# Altium PCB WT2.PcbDoc
Units mil, origin at the board's own origin, x right, y up, seen from the top; angles counter-clockwise.
Board outline 3543.31 x 3100 mil, 2 copper layers (Top Layer, Bottom Layer); 120 components, 114 nets, 511 pads, 97 vias.
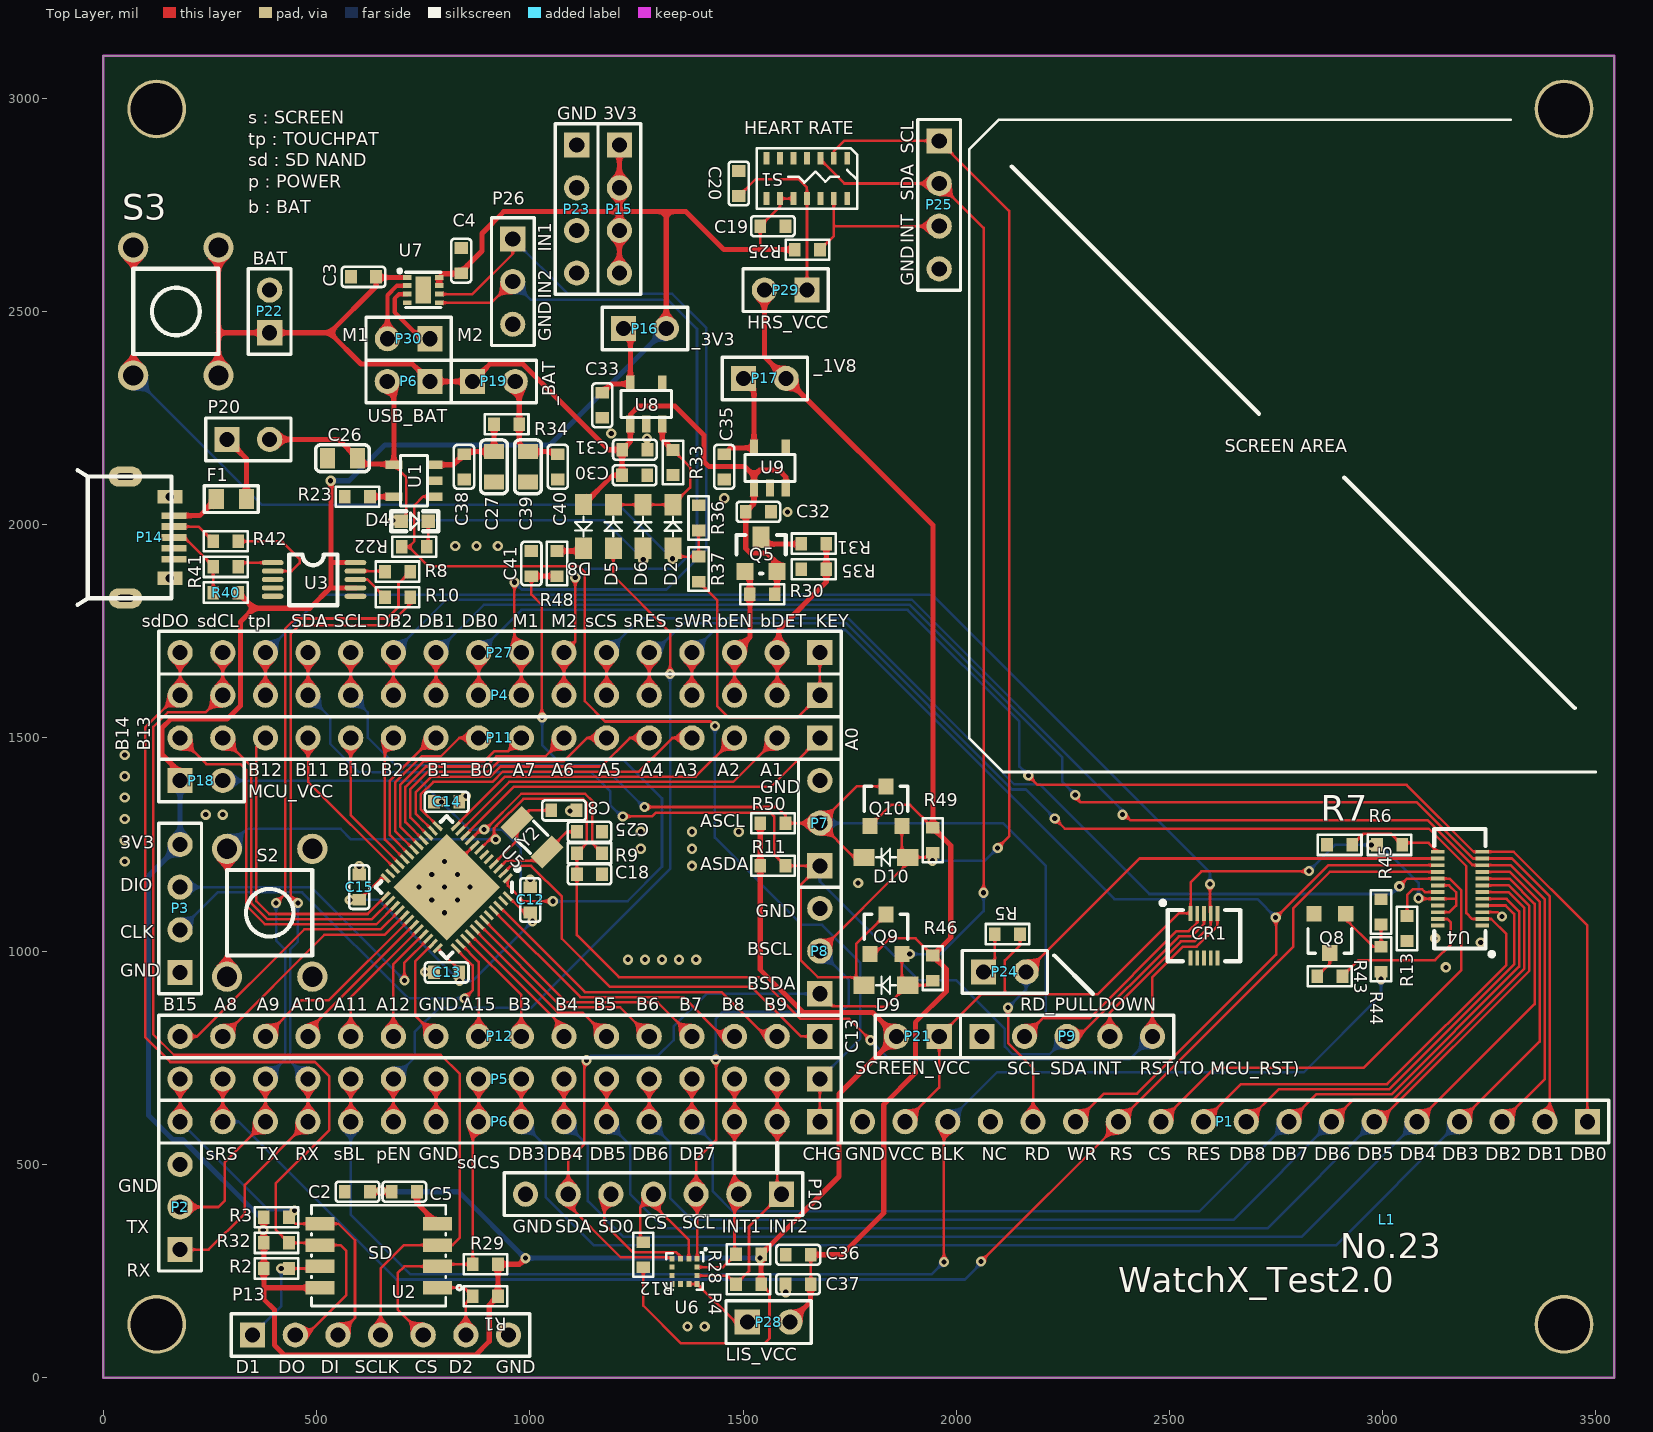
[diagram p0: Top Layer view]
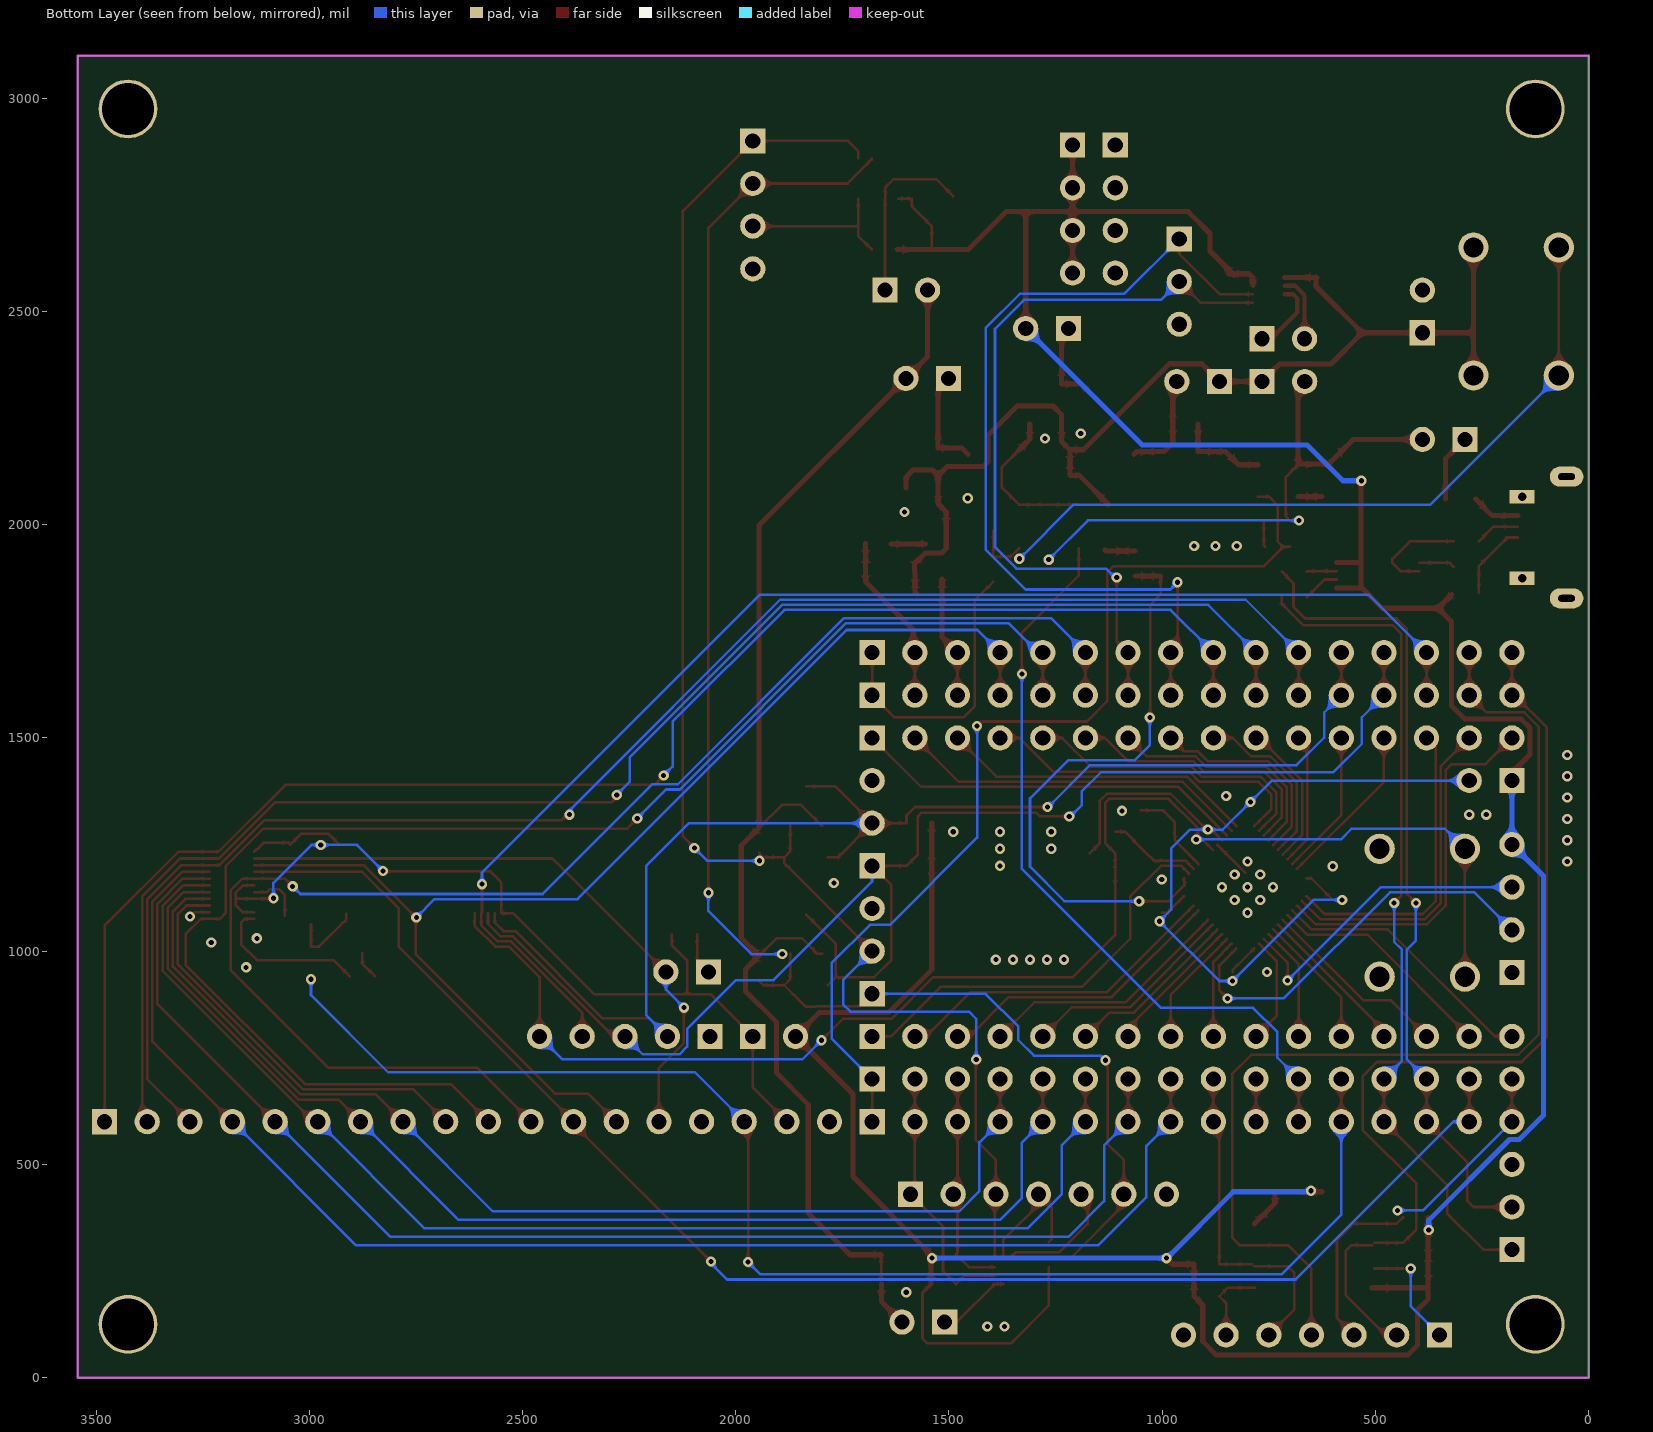
[diagram p1: Bottom Layer view, seen from below]
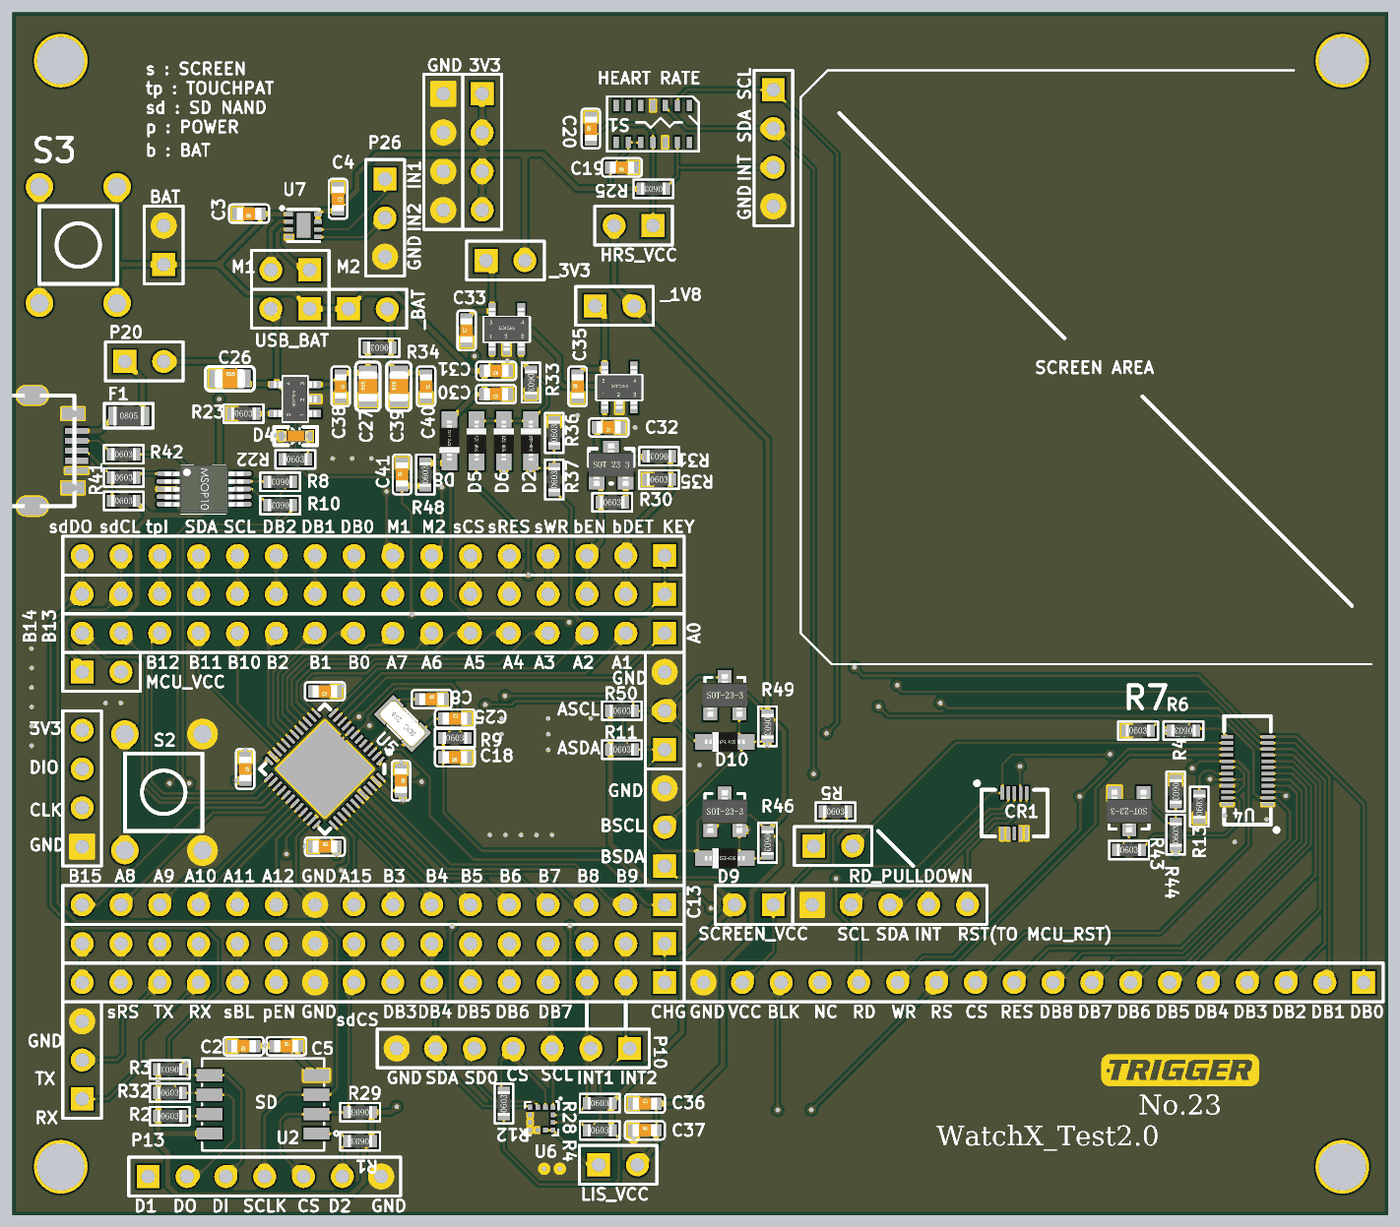
[diagram p2: 3D render of the assembled board from above, using the file's embedded part models]

## Layer stack, top to bottom
Top Solder: solder mask 0.4, Solder Resist, Dk 3.5
Top Layer: signal copper 1.4
Dielectric 1: dielectric 12.6, FR-4, Dk 4.8
Bottom Layer: signal copper 1.4
Bottom Solder: solder mask 0.4, Solder Resist, Dk 3.5

## Board outline
0,0 3543.31,0 3543.31,3100 0,3100

## Design rules (kind name [scope] priority, off if disabled: settings)
Clearance [All] p1: gap=6
ComponentClearance [All] p1 off: gap=10 collisioncheckmode=3 verticalgap=10 showdistances=FALSE
HoleSize [All] p1 off: absolutevalues=TRUE maxlimit=100 minlimit=1 maxpercent=80.000 minpercent=20.000
HoleToHoleClearance [All] p1 off: gap=10 allowstackedmicrovias=TRUE
LayerPairs [All] p1 off: enforce=TRUE
MinimumSolderMaskSliver [All] p1 off: minsoldermaskwidth=10
NetAntennae [All] p1 off: netantennaetolerance=0
PlaneConnect [All] p1: planeconnectstyle=Direct reliefexpansion=20 reliefentries=4 reliefconductorwidth=10 reliefairgap=10
PolygonConnect [All] p1: connectstyle=Direct reliefconductorwidth=10 reliefentries=4 polygonreliefangle="90 Angle" airgapwidth=10
RoutingVias [All] p1: holewidth=12 width=24 viastyle="Through Hole" minholewidth=12 minwidth=24 maxholewidth=12 maxwidth=24
SilkToSilkClearance [All] p1 off: silktosilkclearance=10
SilkToSolderMaskClearance [IsPad] p1 off: minsilkscreentomaskgap=10 clearancetoexposedcopper=TRUE
SolderMaskExpansion [All] p1: expansion=4
Width [All] p1: maxlimit=100 minlimit=6 preferedwidth=6
21 further rules are at their usual default settings.

## Classes and differential pairs
component class WT2_Sensors: C2 C3 C4 C5 C19 C20 P10 P13 P25 P26 P28 P29 P30 R1 R2 R3 R4 R12 R25 R28 R29 R32 S1 U2 U6 U7
component class WT2_Screen: CR1 P1 P9 P21 P24 Q8 R5 R6 R7 R13 R43 R44 R45 U4
component class WT2_Power: C26 C27 C30 C31 C32 C33 C35 C36 C37 C38 C39 C40 C41 D2 D4 D5 D6 D8 P6 P15 P16 P17 P18 P19 P23 Q5 R22 R23 R30 R31 R33 R34 R35 R36 R37 R48 S3 U1 U8 U9
component class WT2_Ports: D9 D10 F1 P2 P3 P7 P8 P14 P20 P22 Q9 Q10 R8 R10 R11 R40 R41 R42 R46 R49 R50
component class WT2_MCU: C8 C12 C13 C14 C15 C18 C25 L1 P4 P5 P6 P11 P12 P27 R9 S2 U5 Y2

## Components (designator, comment, footprint, x,y, rotation, side; value= is the part's Value field where it differs from the comment)
C2 "104" 电容_C0603 595.75,435.75 r180 top
C3 "0.1uF" 电容_C0603 610,2581 r180 top
C4 "0.1uF" 电容_C0603 839,2619 r270 top
C5 "103" 电容_C0603 705.75,435.75 r0 top
C8 "22pf" 电容_C0603 1080,1330 r0 top
C12 "1uF" 电容_C0603 1001,1120 r270 top
C13 "1uF" 电容_C0603 805,950 r0 top
C14 "1uF" 电容_C0603 805,1350 r180 top
C15 "1uF" 电容_C0603 600,1150 r270 top
C18 "104" 电容_C0603 1140,1180 r180 top
C19 "104" 电容_C0603 1570,2700 r180 top
C20 "105" 电容_C0603 1490,2800 r90 top
C25 "22pf" 电容_C0603 1140,1280 r0 top
C26 "4.7UF" 电容_C0805 560.75,2155.75 r0 top
C27 "4.7UF" 电容_C0805 915.75,2135.75 r90 top
C30 "104" 电容_C0603 1245.75,2115.75 r180 top
C31 "106" 电容_C0603 1246.22,2175.75 r180 top
C32 "105" 电容_C0603 1536,2030 r180 top
C33 "106" 电容_C0603 1170,2280 r90 top
C35 "105" 电容_C0603 1455.75,2135.75 r90 top
C36 "105" 电容_C0603 1629.47,288 r0 top
C37 "105" 电容_C0603 1629,219 r0 top
C38 "104" 电容_C0603 845.75,2135.75 r270 top
C39 "106" 电容_C0805 995.75,2135.75 r90 top
C40 "104" 电容_C0603 1065.75,2135.75 r270 top
C41 "104" 电容_C0603 1003.75,1908.75 r90 top
CR1 "CR10P" "CONN RCPT 10POS 0.4MM" 2570.87,1026.38 r180 top
D2 "1N4148" 二极管_SOD-323 1335.75,1995.75 r90 top
D4 "red" LED_0603 730,2008 r0 top
D5 "1N4148" 二极管_SOD-323 1195.75,1995.75 r90 top
D6 "1N4148" 二极管_SOD-323 1265.75,1995.75 r90 top
D8 "1N4148" 二极管_SOD-323 1126,1996 r270 top
D9 "1N5819" 二极管_SOD-323 1835,920 r180 top
D10 "1N5819" 二极管_SOD-323 1835,1220 r180 top
F1 "Fuse 1A，30V" 电阻_R0805 300,2060 r0 top
L1 "LOGO" "LOGO L BS" 3010,370 r0 top
P1 "Header 18" HDR1X18 3480,600 r180 top
P2 "Header 3" HDR1X3 180,300 r90 top
P3 "Header 4" HDR1X4 180,950 r90 top
P4 "Header 16" HDR1X16 1680,1600 r180 top
P5 "Header 16" HDR1X16 1680,700 r180 top
P6 "Header 2" HDR1X2 765.75,2335.75 r180 top
P6 "Header 16" HDR1X16 1680,600 r180 top
P7 "Header 3" HDR1X3 1680,1200 r90 top
P8 "Header 3" HDR1X3 1680,900 r90 top
P9 "Header 5" HDR1X5 2060,800 r0 top
P10 "Header 7" HDR1X7 1590,430 r180 top
P11 "Header 16" HDR1X16 1680,1500 r180 top
P12 "Header 16" HDR1X16 1680,800 r180 top
P13 "Header 7" HDR1X7 350,100 r0 top
P14 "MICRO USB" "接插件_MICRO 牛角插座 USB 卷边" 160,1970 r90 top
P15 "Header 4" HDR1X4 1210,2890 r270 top
P16 "Header 2" HDR1X2 1220,2460 r0 top
P17 "Header 2" HDR1X2 1501,2343 r0 top
P18 "Header 2" HDR1X2 180,1400 r0 top
P19 "Header 2" HDR1X2 865.75,2335.75 r0 top
P20 "Header 2" HDR1X2 290,2200 r0 top
P21 "Header 2" HDR1X2 1960,800 r180 top
P22 "Header 2" HDR1X2 390,2450 r90 top
P23 "Header 4" HDR1X4 1110,2890 r270 top
P24 "Header 2" HDR1X2 2063.87,951.38 r0 top
P25 "Header 4" HDR1X4 1960,2900 r270 top
P26 "Header 3" HDR1X3 960,2670 r270 top
P27 "Header 16" HDR1X16 1680,1700 r180 top
P28 "Header 2" HDR1X2 1510,130 r0 top
P29 "Header 2" HDR1X2 1650,2550 r180 top
P30 "Header 2" HDR1X2 766,2436 r180 top
Q5 "MOSFET-P" SOT23 1500,1890 r0 top
Q8 "S8050" 三极管_SOT-23 2875.87,1041.38 r180 top
Q9 "SI2302" MOS_SOT-23 1835,1040 r0 top
Q10 "SI2302" MOS_SOT-23 1835,1340 r0 top
R1 "10K" 电阻_R0603 895.75,190.75 r180 top
R2 "10K" 电阻_R0603 405.75,255.75 r0 top
R3 "10K" 电阻_R0603 405.75,375.75 r180 top
R4 "4.7K" 电阻_R0603 1513,219 r0 top
R5 "4.7K" 电阻_R0603 2120,1040 r0 top
R6 "4.7K" 电阻_R0603 3016,1249 r180 top
R7 "10K" 电阻_R0603 2899,1249 r0 top
R8 "100R" 电阻_R0603 690,1890 r180 top
R9 "10K" 电阻_R0603 1140,1230 r0 top
R10 "100R" 电阻_R0603 690,1830 r180 top
R11 "4.7K" 电阻_R0603 1570,1200 r0 top
R12 "4.7K" 电阻_R0603 1266,288 r90 top
R13 "4.7K" 电阻_R0603 3057,1053 r90 top
R22 "470R" 电阻_R0603 729,1948 r0 top
R23 "2K" 电阻_R0603 595.75,2065.75 r0 top
R25 "4.7K" 电阻_R0603 1651,2645 r180 top
R28 "4.7K" 电阻_R0603 1513,289 r0 top
R29 "10K" 电阻_R0603 895.75,265.75 r180 top
R30 "20k" 电阻_R0603 1545,1837 r0 top
R31 "20k" 电阻_R0603 1665.75,1955.75 r180 top
R32 "10K" 电阻_R0603 405.75,315.75 r0 top
R33 "300k" 电阻_R0603 1335.75,2145.75 r270 top
R34 "0.15R" 电阻_R0603 945.75,2235.75 r180 top
R35 "40k" 电阻_R0603 1665.75,1895.75 r0 top
R36 "30k" 电阻_R0603 1395.75,2015.75 r90 top
R37 "30k" 电阻_R0603 1395.75,1895.75 r90 top
R40 "1.5K" 电阻_R0603 287.01,1840.87 r0 top
R41 "4.7K" 电阻_R0603 287.01,1900.87 r0 top
R42 "4.7K" 电阻_R0603 287.01,1960.87 r0 top
R43 "10R" 电阻_R0603 2875.87,941.38 r0 top
R44 "1K" 电阻_R0603 2996,981 r90 top
R45 "10K" 电阻_R0603 2996,1092 r270 top
R46 "10K" 电阻_R0603 1945,960 r270 top
R48 "10k" 电阻_R0603 1063.75,1908.75 r90 top
R49 "10K" 电阻_R0603 1945,1260 r270 top
R50 "10K" 电阻_R0603 1570,1300 r0 top
S1 "MAX30102" MAX30102 1744.25,2859.25 r270 top
S2 "SW-PB" KEY_6*6mm 390,1040 r0 top
S3 "SW-PB" KEY_6*6mm 170,2450 r0 top
U1 "MCP73831" SOT23-5 775.75,2065.75 r90 top
U2 "SD" LGA-8_6*8mm2 645.75,285.75 r180 top
U3 "CH340E" MSOP10 397.01,1910.87 r0 top
U4 "TFT" CONN-SMD_DF37NC-24DS-0.4V(51) 3180.87,1146.38 r90 top
U5 "AT32F403CGU6" AT主控_QFN48(6X6) 805,1150 r225 top locked
U6 "LIS2DS12" LGA-12_2*2mm 1363,249 r180 top
U7 "DRV883x" WSON-8_2*2 750,2550 r0 top
U8 "LP5907-3.3" SOT23-5 1235.75,2235.75 r0 top
U9 "LP5907-1.8" SOT23-5 1525.75,2085.75 r0 top
Y2 "32.768K" 晶振_3215 1005,1267 r135 top

## Footprints (in the part's own frame and the unit in brackets; to place one, negate y for a bottom-side part, rotate by r counter-clockwise, add the part's x,y. Pads: shape width x height; smd on the part's side, far side on the other; paste and mask are expansions set on the pad)
AT主控_QFN48(6X6) [mm]
  rect 4.5x4.5 smd: 0(0,0)
  rect 0.7x0.2 smd: 1(-2.95,2.2) 2(-2.95,1.8) 3(-2.95,1.4) 4(-2.95,1) 5(-2.95,0.6) 6(-2.95,0.2) 7(-2.95,-0.2) 8(-2.95,-0.6) 9(-2.95,-1) 10(-2.95,-1.4) 11(-2.95,-1.8) 12(-2.95,-2.2) 25(2.95,-2.2) 26(2.95,-1.8) 27(2.95,-1.4) 28(2.95,-1) 29(2.95,-0.6) 30(2.95,-0.2) 31(2.95,0.2) 32(2.95,0.6) 33(2.95,1) 34(2.95,1.4) 35(2.95,1.8) 36(2.95,2.2)
  rect 0.2x0.7 smd: 13(-2.2,-2.95) 14(-1.8,-2.95) 15(-1.4,-2.95) 16(-1,-2.95) 17(-0.6,-2.95) 18(-0.2,-2.95) 19(0.2,-2.95) 20(0.6,-2.95) 21(1,-2.95) 22(1.4,-2.95) 23(1.8,-2.95) 24(2.2,-2.95) 37(2.2,2.95) 38(1.8,2.95) 39(1.4,2.95) 40(1,2.95) 41(0.6,2.95) 42(0.2,2.95) 43(-0.2,2.95) 44(-0.6,2.95) 45(-1,2.95) 46(-1.4,2.95) 47(-1.8,2.95) 48(-2.2,2.95)
  silkscreen extent -3.87,-3 3,3
"CONN RCPT 10POS 0.4MM" [mil] "板对板连接器"
  rect 9.05x35 smd: 1(21.49,-62.16) 2(5.74,-62.16) 3(-10,-62.16) 4(-25.75,-62.16) 5(-41.5,-62.16) 6(-41.5,42.17) 7(-25.75,42.17) 8(-10,42.17) 9(5.74,42.17) 10(21.49,42.17)
  silkscreen extent -95,-92 92,50
CONN-SMD_DF37NC-24DS-0.4V(51) [mm] "板对板连接器"
  rect 0.23x0.8 smd: 1(-2.2,-1.325) 2(-1.8,-1.325) 3(-1.4,-1.325) 4(-1,-1.325) 5(-0.6,-1.325) 6(-0.2,-1.325) 7(0.2,-1.325) 8(0.6,-1.325) 9(1,-1.325) 10(1.4,-1.325) 11(1.8,-1.325) 12(2.2,-1.325) 13(2.2,1.325) 14(1.8,1.325) 15(1.4,1.325) 16(1,1.325) 17(0.6,1.325) 18(0.2,1.325) 19(-0.2,1.325) 20(-0.6,1.325) 21(-1,1.325) 22(-1.4,1.325) 23(-1.8,1.325) 24(-2.2,1.325)
  silkscreen extent -4.03,-2.03 3.56,1.52
HDR1X2 [mm] "Connector; Header; 2 Position"
  rect 1.5x1.5 hole 0.9: 1(0,0)
  round 1.5 hole 0.9: 2(2.54,0)
  silkscreen extent -1.27,-1.27 3.81,1.27
HDR1X3 [mm] "Connector; Header; 3 Position"
  rect 1.5x1.5 hole 0.9: 1(0,0)
  round 1.5 hole 0.9: 2(2.54,0) 3(5.08,0)
  silkscreen extent -1.27,-1.27 6.35,1.27
HDR1X4 [mm] "Connector; Header; 4 Position"
  rect 1.5x1.5 hole 0.9: 1(0,0)
  round 1.5 hole 0.9: 2(2.54,0) 3(5.08,0) 4(7.62,0)
  silkscreen extent -1.27,-1.27 8.89,1.27
HDR1X5 [mm] "Connector; Header; 5 Position"
  rect 1.5x1.5 hole 0.9: 1(0,0)
  round 1.5 hole 0.9: 2(2.54,0) 3(5.08,0) 4(7.62,0) 5(10.16,0)
  silkscreen extent -1.27,-1.27 11.43,1.27
HDR1X7 [mm] "Connector; Header; 7 Position"
  rect 1.5x1.5 hole 0.9: 1(0,0)
  round 1.5 hole 0.9: 2(2.54,0) 3(5.08,0) 4(7.62,0) 5(10.16,0) 6(12.7,0) 7(15.24,0)
  silkscreen extent -1.27,-1.27 16.51,1.27
HDR1X16 [mm] "Connector; Header; 16 Position"
  rect 1.5x1.5 hole 0.9: 1(0,0)
  round 1.5 hole 0.9: 2(2.54,0) 3(5.08,0) 4(7.62,0) 5(10.16,0) 6(12.7,0) 7(15.24,0) 8(17.78,0) 9(20.32,0) 10(22.86,0) 11(25.4,0) 12(27.94,0) 13(30.48,0) 14(33.02,0) 15(35.56,0) 16(38.1,0)
  silkscreen extent -1.27,-1.27 39.37,1.27
HDR1X18 [mm] "Connector; Header; 18 Position"
  rect 1.5x1.5 hole 0.9: 1(0,0)
  round 1.5 hole 0.9: 2(2.54,0) 3(5.08,0) 4(7.62,0) 5(10.16,0) 6(12.7,0) 7(15.24,0) 8(17.78,0) 9(20.32,0) 10(22.86,0) 11(25.4,0) 12(27.94,0) 13(30.48,0) 14(33.02,0) 15(35.56,0) 16(38.1,0) 17(40.64,0) 18(43.18,0)
  silkscreen extent -1.27,-1.27 44.45,1.27
KEY_6*6mm [mm]
  round 1.8 hole 1.2: 1(2.54,-2.54) 1(2.54,5.08) 2(-2.54,-2.54) 2(-2.54,5.08)
  silkscreen extent -2.54,-1.27 2.54,3.81
LED_0603 [mm]
  rect 0.8x0.8 smd paste-0.1: A(-0.8,0) K(0.8,0)
  silkscreen extent -1.4,-0.6 1.4,0.6, body extent -0.8,-0.4 0.82,0.4, height 0.6
LGA-8_6*8mm2 [mm]
  rect 1.7x0.8 smd: 1(-3.5,1.905) 2(-3.5,0.635) 3(-3.5,-0.635) 4(-3.5,-1.905) 5(3.5,-1.905) 6(3.5,-0.635) 7(3.5,0.635) 8(3.5,1.905)
  silkscreen extent -4.94,-3 4,3
LGA-12_2*2mm [mm]
  rect 0.3x0.33 smd: 1(-0.75,-0.75) 2(-0.25,-0.75) 3(0.25,-0.75) 4(0.75,-0.75) 7(0.75,0.75) 8(0.25,0.75) 9(-0.25,0.75) 10(-0.75,0.75)
  rect 0.3x0.3 smd: 5(0.75,-0.25) 6(0.75,0.25) 11(-0.75,0.25) 12(-0.75,-0.25)
  silkscreen extent -1.3,-1.38 1.09,1.09
"LOGO L BS" [mil]
MAX30102 [mm] "血氧浓度传感器"
  rect 0.75x0.35 smd: 1(0,0) 2(0,-0.8) 3(0,-1.6) 4(0,-2.4) 5(0,-3.2) 6(0,-4) 7(0,-4.8) 8(2.4,-4.8) 9(2.4,-4) 10(2.4,-3.2) 11(2.4,-2.4) 12(2.4,-1.6) 13(2.4,-0.8) 14(2.4,0)
  silkscreen extent -0.6,-5.4 3,0.6
MOS_SOT-23 [mm]
  rect 0.9x0.95 smd: 1(-0.95,-1.175) 2(0,1.175) 3(0.95,-1.175)
  silkscreen extent -1.3,-0.3 1.3,1.18, body extent -1.45,-1.4 1.45,1.4, height 1.2
MSOP10 [mm] "VSOP8"
  oval 1.3x0.3 smd: 1(0,0) 2(0,-0.5) 3(0,-1) 4(0,-1.5) 5(0,-2) 6(4.928,-2) 7(4.928,-1.5) 8(4.928,-1) 9(4.928,-0.5) 10(4.928,0)
  silkscreen extent 0.99,-2.54 3.86,0.48, body extent -0.11,-2.62 5.04,0.58, height 1.09
SOT23 [mil]
  rect 40x40 smd: 1(4.88,0.63) 3(79.88,0.63)
  rect 40x50 smd: 2(41.88,80.63)
  silkscreen extent -15,-4 100,86, body extent -15,-11 99,99, height 47
SOT23-5 [mm]
  rect 0.5x1 smd: 1(0,0) 2(0.95,0) 3(1.9,0) 4(1.9,2.4) 5(0,2.4)
  silkscreen extent -0.55,0.4 2.45,2, body extent -0.5,-0.2 2.4,2.6, height 1.09
WSON-8_2*2 [mil]
  rect 20.5x11.5 smd: 1(-37.4,29.5) 2(-37.4,10.5) 3(-37.4,-9.5) 4(-37.4,-29.5) 5(37.4,-29.5) 6(37.4,-9.5) 7(37.4,10.5) 8(37.4,29.5)
  rect 35.5x63.5 smd: 9(0,0.5)
  silkscreen extent -58,-41 41,48
三极管_SOT-23 [mm]
  rect 0.9x0.95 smd: 1(-0.95,-1.175) 2(0,1.175) 3(0.95,-1.175)
  silkscreen extent -1.3,-0.3 1.3,1.18, body extent -1.45,-1.4 1.45,1.4, height 1.2
二极管_SOD-323 [mil]
  rect 50x40 smd: A(-51.18,0) K(51.18,0)
  silkscreen extent -23,-20 23,20, body extent -51,-26 51,26, height 39
"接插件_MICRO 牛角插座 USB 卷边" [mm]
  oval 1.2x2 hole 0.4 slot 1 at 90 deg: 0(-3.625,2.75) 0(3.625,2.75)
  rect 0.8x1.5 hole 0.5: 0(-2.425,0.1) 0(2.425,0.1)
  rect 0.4x1.5 smd: 1(1.3,-0.15) 2(0.65,-0.15) 3(0,-0.15) 4(-0.65,-0.15) 5(-1.3,-0.15)
  silkscreen extent -4,0 4,5.6
晶振_3215 [mm] "XTAL SMD 3.2 x 1.5 mm"
  rect 1x1.8 smd: 1(-1.25,0) 2(1.25,0)
  silkscreen extent -0.6,-0.75 0.6,0.75, body extent -1.6,-0.75 1.6,0.75, height 0.81
电容_C0603 [mm]
  rect 0.7x0.8 smd: 1(-0.75,0) 2(0.75,0)
  silkscreen extent -1.3,-0.6 1.3,0.6, body extent -0.8,-0.4 0.8,0.4, height 0.3
电容_C0805 [mm]
  rect 0.9x1.2 smd: 1(-0.9,0) 2(0.9,0)
  silkscreen extent -1.6,-0.8 1.6,0.8, body extent -1,-0.62 1,0.63, height 0.77
电阻_R0603 [mm]
  rect 0.7x0.8 smd: 1(-0.75,0) 2(0.75,0)
  silkscreen extent -1.3,-0.6 1.3,0.6, body extent -0.8,-0.4 0.8,0.4, height 0.45
电阻_R0805 [mm]
  rect 0.9x1.2 smd: 1(-0.9,0) 2(0.9,0)
  silkscreen extent -1.6,-0.8 1.6,0.8, body extent -1,-0.63 1,0.63, height 0.55
